# Altium PCB 0020-03_FFT2G.PcbDoc (part 9 of 16) (continued)
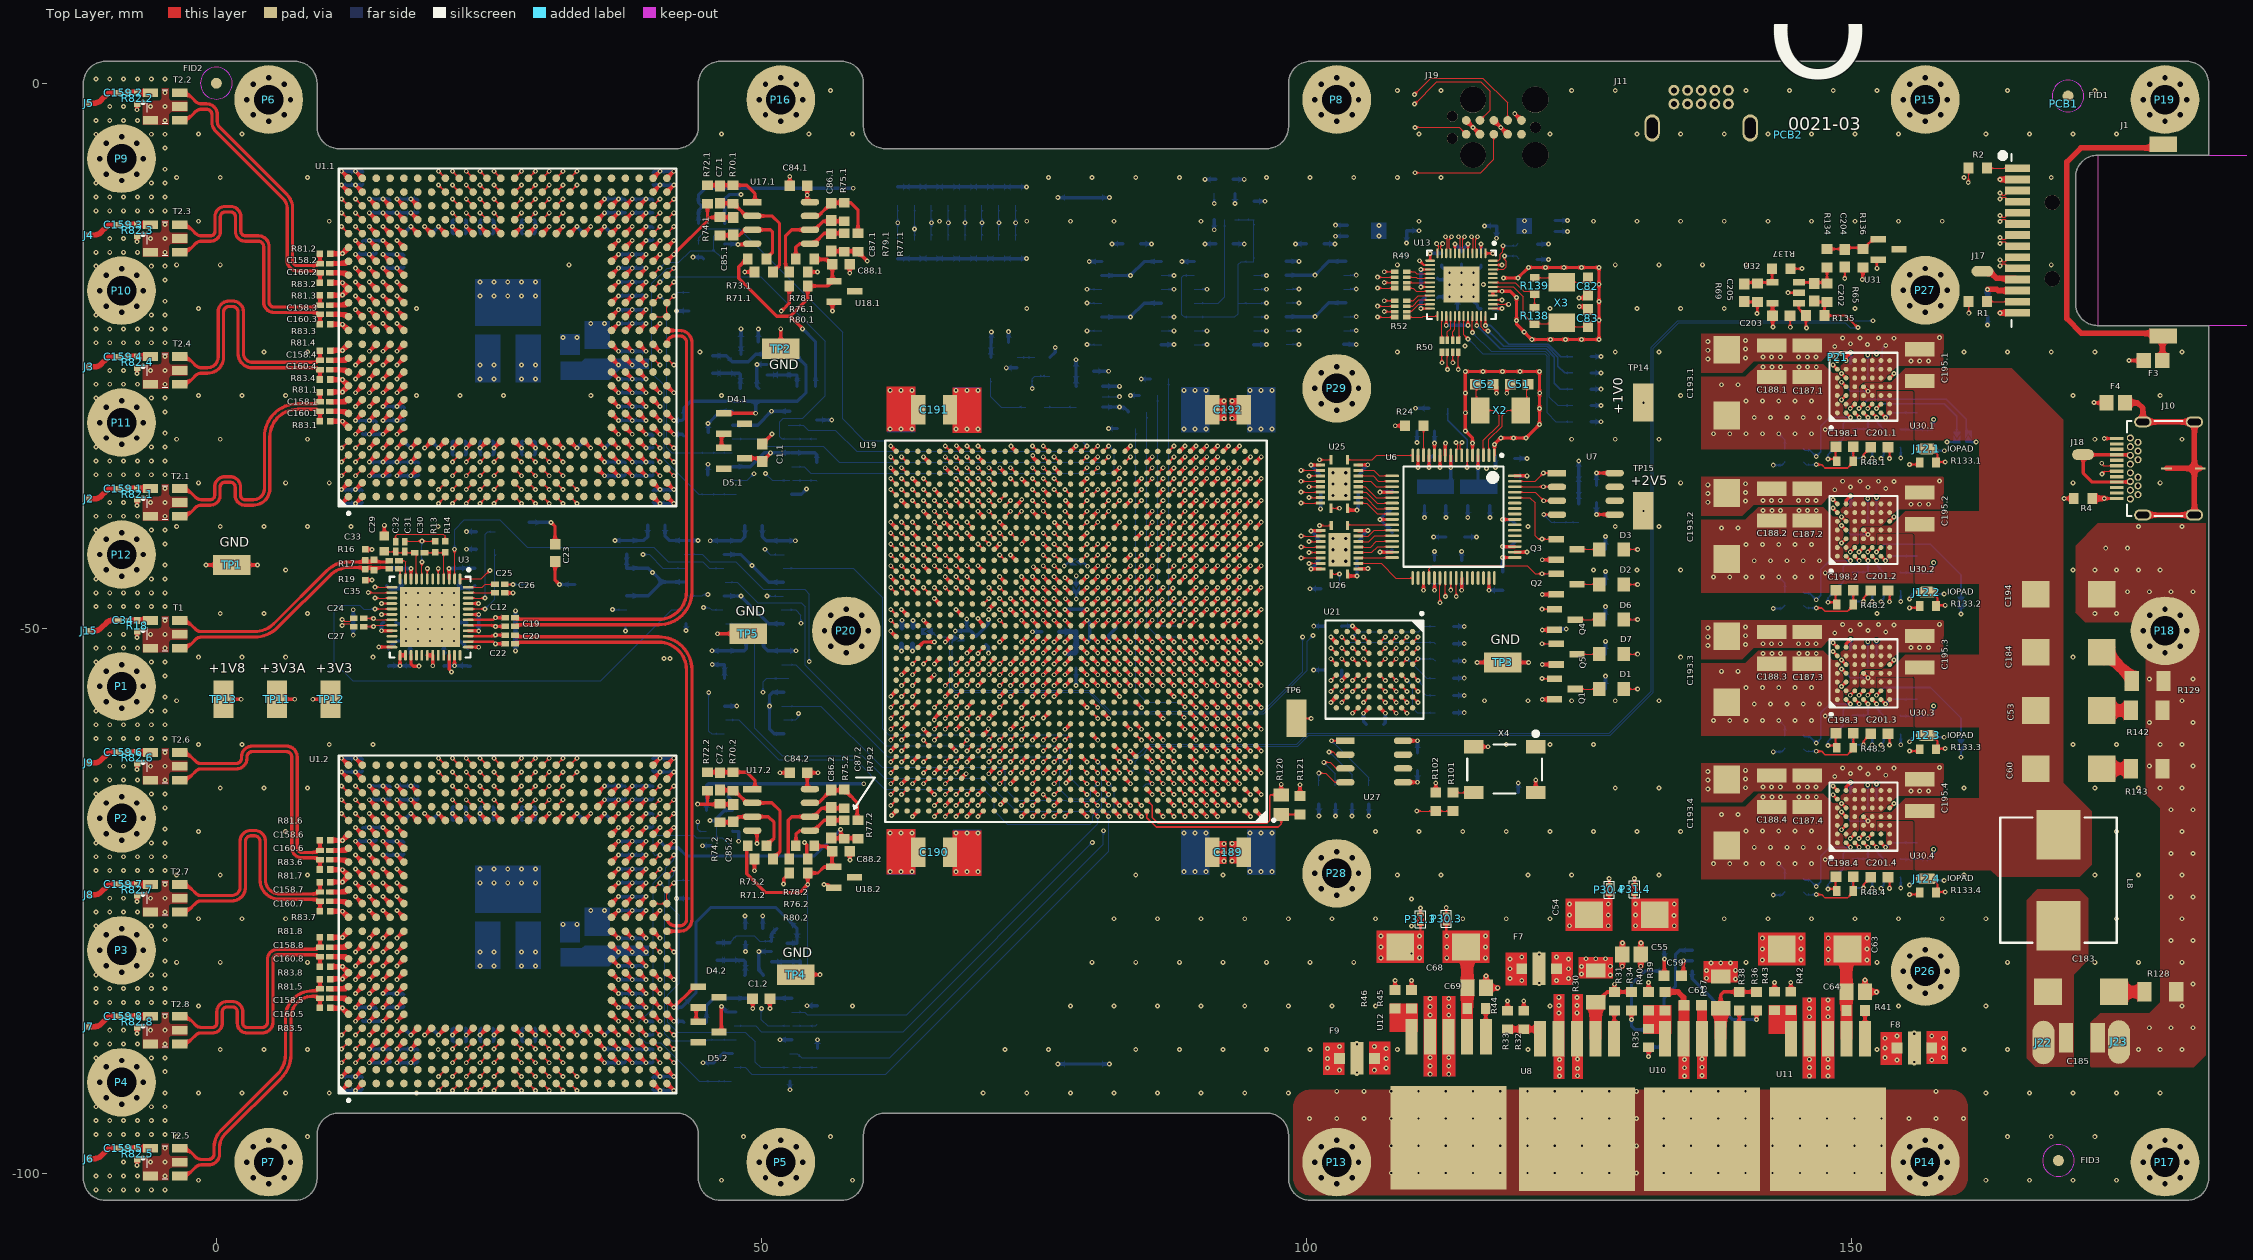
[diagram p0: Top Layer view]
## Nets (pads, with @x,y where several pads share a name; then routed paths per layer and width w, separated by ;. In a path a pad name is that pad's centre, name@x,y a point inside that pad or via, vN(x,y) a via of type N, cw(c..) or ccw(c..) an arc to the next point about the centre after c; other vN are vias at no path point) (continued)
  other v2: 4.8,-101 51.8,-101 102.8,-101 156.8,-101 178.8,-101 3.386,-100.414 6.214,-100.414 50.386,-100.414 53.214,-100.414 101.386,-100.414 104.214,-100.414 155.386,-100.414 158.214,-100.414 177.386,-100.414 180.214,-100.414 2.8,-99 6.8,-99 49.8,-99 53.8,-99 100.8,-99 104.8,-99 154.8,-99 158.8,-99 176.8,-99 180.8,-99 3.386,-97.586 6.214,-97.586 50.386,-97.586 53.214,-97.586 101.386,-97.586 104.214,-97.586 155.386,-97.586 158.214,-97.586 177.386,-97.586 180.214,-97.586 4.8,-97 51.8,-97 102.8,-97 156.8,-97 178.8,-97 -8.7,-93.674 -10.114,-93.088 -7.286,-93.088 -10.7,-91.674 -6.7,-91.674 -10.114,-90.26 -7.286,-90.26 -8.7,-89.674 156.8,-83.5 155.386,-82.914 158.214,-82.914 -8.7,-81.567 154.8,-81.5 158.8,-81.5 -10.114,-80.981 -7.286,-80.981 155.386,-80.086 158.214,-80.086 -10.7,-79.567 -6.7,-79.567 156.8,-79.5 -10.114,-78.153 -7.286,-78.153 -8.7,-77.567 102.8,-74.5 101.386,-73.914 104.214,-73.914 100.8,-72.5 104.8,-72.5 101.386,-71.086 104.214,-71.086 102.8,-70.5 -8.7,-69.46 -10.114,-68.874 -7.286,-68.874 -10.7,-67.46 -6.7,-67.46 -10.114,-66.046 -7.286,-66.046 -8.7,-65.46 -8.7,-57.353 -10.114,-56.767 -7.286,-56.767 -10.7,-55.353 -6.7,-55.353 -10.114,-53.939 -7.286,-53.939 -8.7,-53.353 57.8,-52.25 178.8,-52.25 56.386,-51.664 59.214,-51.664 177.386,-51.664 180.214,-51.664 55.8,-50.25 59.8,-50.25 176.8,-50.25 180.8,-50.25 56.386,-48.836 59.214,-48.836 177.386,-48.836 180.214,-48.836 57.8,-48.25 178.8,-48.25 -8.7,-45.246 -10.114,-44.66 -7.286,-44.66 -10.7,-43.246 -6.7,-43.246 -10.114,-41.832 -7.286,-41.832 -8.7,-41.246 -8.7,-33.139 -10.114,-32.553 -7.286,-32.553 -10.7,-31.139 -6.7,-31.139 102.8,-30 -10.114,-29.725 -7.286,-29.725 101.386,-29.414 104.214,-29.414 -8.7,-29.139 100.8,-28 104.8,-28 101.386,-26.586 104.214,-26.586 102.8,-26 -8.7,-21.032 156.8,-21 -10.114,-20.446 -7.286,-20.446 155.386,-20.414 158.214,-20.414 -10.7,-19.032 -6.7,-19.032 154.8,-19 158.8,-19 -10.114,-17.618 -7.286,-17.618 155.386,-17.586 158.214,-17.586 -8.7,-17.032 156.8,-17 -8.7,-8.925 -10.114,-8.339 -7.286,-8.339 -10.7,-6.925 -6.7,-6.925 -10.114,-5.511 -7.286,-5.511 -8.7,-4.925 4.8,-3.5 51.8,-3.5 102.8,-3.5 156.8,-3.5 178.8,-3.5 3.386,-2.914 6.214,-2.914 50.386,-2.914 53.214,-2.914 101.386,-2.914 104.214,-2.914 155.386,-2.914 158.214,-2.914 177.386,-2.914 180.214,-2.914 2.8,-1.5 6.8,-1.5 49.8,-1.5 53.8,-1.5 100.8,-1.5 104.8,-1.5 154.8,-1.5 158.8,-1.5 176.8,-1.5 180.8,-1.5 3.386,-0.086 6.214,-0.086 50.386,-0.086 53.214,-0.086 101.386,-0.086 104.214,-0.086 155.386,-0.086 158.214,-0.086 177.386,-0.086 180.214,-0.086 4.8,0.5 51.8,0.5 102.8,0.5 156.8,0.5 178.8,0.5
  other v3: 18.506,-51.191 19.606,-51.191 18.506,-50.091 19.606,-50.091 20.706,-50.091 21.806,-50.091 17.406,-48.991 18.506,-48.991 19.606,-48.991 20.706,-48.991 17.406,-47.891 18.506,-47.891 19.606,-47.891 20.706,-47.891 21.806,-47.891 18.506,-46.791 19.606,-46.791 20.706,-46.791 114.246,-18.486 115.346,-18.486
  other v4: 102.467,-43.854 103.631,-43.854 102.467,-42.81 103.631,-42.81 102.467,-41.766 103.631,-41.766 102.458,-37.821 103.622,-37.821 102.458,-36.777 103.622,-36.777 102.458,-35.733 103.622,-35.733
  other v5: 104.65,-90.775 155.8,-89.825 104.65,-88.175 155.8,-87.225 121.378,-82.55 121.378,-79.95
  other v6: 117.475,-28.45 118.4,-28.45 125.025,-19.7
GPI0: J11.5 U28.2 | length 57
  SIG1 w0.1: v1(87.856,-17.638) 87.856,-12.575 90.081,-10.349 122.376,-10.349 132.074,-0.65 J11.5@133.742,-0.65
  Bottom Layer w0.1: U28.2@86.697,-17.638 v1(87.856,-17.638)
GPI1: J11.4 U28.5 | length 63.8
  SIG1 w0.1: v1(87.856,-21.448) 88.375,-20.929 88.375,-18.797 87.481,-17.902 87.481,-12.453 89.94,-9.993 122.307,-9.993 132.46,0.16 134.181,0.16 J11.4@134.992,-0.65
  Bottom Layer w0.1: U28.5@86.697,-21.448 v1(87.856,-21.448)
GPI2: J11.3 U28.9 | length 69.7
  SIG1 w0.1: v1(79.875,-22.718) 87.139,-15.454 87.139,-12.085 89.536,-9.688 122.186,-9.688 132.25,0.375 135.216,0.375 J11.3@136.242,-0.65
  Bottom Layer w0.1: v1(79.875,-22.718) U28.9@81.247,-22.718
GPI3: J11.2 U28.12 | length 67.6
  SIG1 w0.1: v1(79.875,-18.908) 89.433,-9.35 122.163,-9.35 132.188,0.675 136.166,0.675 J11.2@137.492,-0.65
  Bottom Layer w0.1: v1(79.875,-18.908) U28.12@81.247,-18.908
GPI_BUF0: U19.AK18 U28.3 | length 28.1
  Top Layer w0.1: v1(77.875,-37.28) U19.AK18@78.375,-37.78
  SIG2 w0.1: v1(77.875,-37.28) 78.367,-36.788 79.897,-36.788 80.25,-36.435 80.25,-21.665 83.007,-18.908 v1(87.856,-18.908)
  Bottom Layer w0.1: U28.3@86.697,-18.908 v1(87.856,-18.908)
GPI_BUF1: U19.AK17 U28.6 | length 22.7
  Top Layer w0.1: U19.AK17@79.375,-37.78 v1(79.875,-37.28)
  SIG1 w0.1: v1(79.875,-37.28) 80.375,-36.78 80.375,-25.109 82.766,-22.718 v1(87.856,-22.718)
  Bottom Layer w0.1: U28.6@86.697,-22.718 v1(87.856,-22.718)
GPI_BUF2: U19.AE18 U28.8 | length 21.2
  Top Layer w0.1: v1(77.875,-42.28) U19.AE18@78.375,-42.78
  SIG1 w0.1: v1(77.875,-42.28) 79.388,-40.767 79.388,-24.475 v1(79.875,-23.988)
  Bottom Layer w0.1: v1(79.875,-23.988) U28.8@81.247,-23.988
GPI_BUF3: U19.AF18 U28.11 | length 24
  Top Layer w0.1: v1(77.875,-41.28) U19.AF18@78.375,-41.78
  SIG1 w0.1: v1(77.875,-41.28) 78.375,-40.78 78.375,-21.678 v1(79.875,-20.178)
  Bottom Layer w0.1: v1(79.875,-20.178) U28.11@81.247,-20.178
GPO0: J11.6 U29.3 | length 47.9
  SIG1 w0.1: v1(104.588,-18.884) 104.05,-18.345 104.05,-13.7 105.826,-11.923 131.726,-11.923 138.742,-4.908 J11.6@138.742,-1.9
  Bottom Layer w0.1: U29.3@103.43,-18.884 v1(104.588,-18.884)
GPO1: J11.7 U29.6 | length 51.6
  SIG1 w0.1: v1(104.588,-22.694) 103.631,-21.737 103.631,-13.11 105.199,-11.542 131.057,-11.542 137.575,-5.025 137.575,-1.983 J11.7@137.492,-1.9
  Bottom Layer w0.1: U29.6@103.43,-22.694 v1(104.588,-22.694)
GPO2: J11.8 U29.8 | length 55
  SIG1 w0.1: v1(99.338,-23.964) 100.241,-23.061 100.241,-13.503 102.486,-11.258 130.591,-11.258 136.242,-5.607 J11.8@136.242,-1.9
  Bottom Layer w0.1: U29.8@98.18,-23.964 v1(99.338,-23.964)
GPO3: J11.9 U29.11 | length 50.7
  SIG1 w0.1: v1(99.338,-20.154) 99.788,-19.704 99.788,-12.931 101.825,-10.895 130.055,-10.895 134.992,-5.958 J11.9@134.992,-1.9
  Bottom Layer w0.1: U29.11@98.18,-20.154 v1(99.338,-20.154)
GPO_BUF0: U19.AM17 U29.2 | length 45
  Top Layer w0.1: U19.AM17@79.375,-35.78 v1(79.875,-35.28)
  LVDS3 w0.1: v1(79.875,-35.28) 79.375,-34.78 79.375,-21.491 85.285,-15.581 96.766,-15.581 99.534,-18.35 103.852,-18.35 v1(104.588,-17.614)
  Bottom Layer w0.1: U29.2@103.43,-17.614 v1(104.588,-17.614)
GPO_BUF1: U19.AM16 U29.5 | length 42.8
  Top Layer w0.1: U19.AM16@80.375,-35.78 v1(80.875,-35.28)
  LVDS3 w0.1: v1(80.875,-35.28) 81.375,-34.78 81.375,-32.525 ; 81.375,-32.524 81.375,-21.752 86.352,-16.775 96.69,-16.775 101.338,-21.424 v1(104.588,-21.424)
  Bottom Layer w0.1: U29.5@103.43,-21.424 v1(104.588,-21.424)
GPO_BUF2: U19.AD17 U29.9 | length 47.6
  Top Layer w0.1: U19.AD17@79.375,-43.78 v1(79.875,-43.28)
  LVDS3 w0.1: v1(79.875,-43.28) 80.375,-42.78 80.375,-42.233 80.84,-41.768 81.386,-41.768 82.375,-40.78 82.375,-21.437 86.606,-17.207 96.512,-17.207 98.754,-19.448 98.754,-22.109 v1(99.338,-22.694)
  Bottom Layer w0.1: U29.9@98.18,-22.694 v1(99.338,-22.694)
GPO_BUF3: U19.AE17 U29.12 | length 45.1
  Top Layer w0.1: U19.AE17@79.375,-42.78 v1(79.875,-42.28)
  LVDS3 w0.1: v1(79.875,-42.28) 80.375,-41.78 80.375,-21.983 86.472,-15.886 96.341,-15.886 v1(99.338,-18.884)
  Bottom Layer w0.1: U29.12@98.18,-18.884 v1(99.338,-18.884)
ID0: R84.2 R92.2 U19.AA30 | length 40.9
  Top Layer w0.1: v1(65.875,-46.28) U19.AA30@66.375,-46.78
  SIG1 w0.1: v1(65.875,-46.28) 65.375,-45.78 65.375,-25.366 73.343,-17.398 v1(73.343,-12.802)
  Bottom Layer w0.1: R84.2@73.343,-14.396 v1(73.343,-12.802) R92.2@73.343,-11.209
ID1: R85.2 R93.2 U19.AA31 | length 40.7
  Top Layer w0.1: v1(64.875,-46.28) U19.AA31@65.375,-46.78
  SIG1 w0.1: v1(64.875,-46.28) 64.375,-45.78 64.375,-25.164 71.797,-17.742 v1(71.797,-12.802)
  Bottom Layer w0.1: R85.2@71.797,-14.396 v1(71.797,-12.802) R93.2@71.797,-11.209
ID2: R86.2 R94.2 U19.AA33 | length 40.4
  Top Layer w0.1: v1(62.875,-46.28) U19.AA33@63.375,-46.78
  SIG2 w0.1: v1(62.875,-46.28) 63.375,-45.78 63.375,-26.61 70.251,-19.735 v1(70.251,-12.802)
  Bottom Layer w0.1: R86.2@70.251,-14.396 v1(70.251,-12.802) R94.2@70.251,-11.209
ID3: R87.2 R95.2 U19.AB33 | length 38.8
  Top Layer w0.1: v1(62.875,-45.28) U19.AB33@63.375,-45.78
  SIG1 w0.1: v1(62.875,-45.28) 63.375,-44.78 63.375,-24.608 68.705,-19.278 v1(68.705,-12.802)
  Bottom Layer w0.1: R87.2@68.705,-14.396 v1(68.705,-12.802) R95.2@68.705,-11.209
ID4: R88.2 R96.2 U19.AA34 | length 39.6
  Top Layer w0.1: v1(61.875,-46.28) U19.AA34@62.375,-46.78
  SIG2 w0.1: v1(61.875,-46.28) 62.375,-45.78 62.375,-26.421 67.16,-21.637 v1(67.16,-12.802)
  Bottom Layer w0.1: R88.2@67.16,-14.396 v1(67.16,-12.802) R96.2@67.16,-11.209
ID5: R89.2 R97.2 U19.AC33 | length 36.9
  Top Layer w0.1: v1(62.875,-44.28) U19.AC33@63.375,-44.78
  SIG1 w0.1: v1(62.875,-44.28) 62.375,-43.78 62.375,-24.646 65.614,-21.407 v1(65.614,-12.802)
  Bottom Layer w0.1: R89.2@65.614,-14.396 v1(65.614,-12.802) R97.2@65.614,-11.209
ID6: R90.2 R98.2 U19.AC34 | length 36.2
  Top Layer w0.1: v1(61.875,-44.28) U19.AC34@62.375,-44.78
  SIG2 w0.1: v1(61.875,-44.28) 61.342,-43.747 61.342,-26.184 64.072,-23.455 v1(64.072,-13.371)
  Bottom Layer w0.1: R90.2@64.068,-14.396 64.072,-14.392 v1(64.072,-13.371) 64.072,-11.213 R98.2@64.068,-11.209
ID7: R91.2 R99.2 U19.AD34 | length 35.1
  Top Layer w0.1: v1(61.875,-43.28) U19.AD34@62.375,-43.78
  SIG1 w0.1: v1(61.875,-43.28) 61.375,-42.78 61.375,-24.856 62.522,-23.709 v1(62.522,-12.802)
  Bottom Layer w0.1: R91.2@62.522,-14.396 v1(62.522,-12.802) R99.2@62.522,-11.209
INIT_B: Q5.1 R112.2 U19.P8 | length 38.9
  Top Layer w0.1: U19.P8@88.375,-53.78 v1(88.875,-54.28) ; v1(121.644,-51.435) Q5.1@122.789,-51.435
  SIG1 w0.1: v1(88.875,-54.28) 89.375,-53.78 95.943,-53.78 100.843,-48.88 119.089,-48.88 v1(121.644,-51.435)
  Bottom Layer w0.1: v1(121.644,-51.435) R112.2@122.659,-51.435
INTVCC.1: R133.1.2 U30.1.B3 | length 12.6
  Top Layer w0.15: v1(149.112,-29.049) 149.124,-29.049 149.523,-28.649 U30.1.B3@149.535,-28.649 ; v1(155.364,-34.987) 156.115,-34.987 R133.1.2@156.289,-34.813
  LVDS1 w0.15: v1(149.112,-29.049) 149.112,-29.153 148.81,-29.455 148.81,-31.807 149.701,-32.697 153.447,-32.697 155.364,-34.614 v1(155.364,-34.987)
INTVCC.2: R133.2.2 U30.2.B3 | length 12.4
  Top Layer w0.15: v1(149.112,-42.198) 149.124,-42.198 149.523,-41.799 U30.2.B3@149.535,-41.798 ; v1(155.364,-48.136) 156.115,-48.136 R133.2.2@156.289,-47.962
  LVDS1 w0.15: v1(149.112,-42.198) 149.112,-42.28 149.031,-42.361 149.031,-45.177 150.136,-46.281 153.846,-46.281 154.951,-47.386 154.951,-47.723 v1(155.364,-48.136)
INTVCC.3: R133.3.2 U30.3.B3 | length 12.5
  Top Layer w0.15: v1(149.112,-55.348) 149.124,-55.348 149.523,-54.948 U30.3.B3@149.535,-54.948 ; v1(155.364,-61.285) 156.115,-61.285 R133.3.2@156.289,-61.112
  LVDS1 w0.15: v1(149.112,-55.348) 149.112,-55.451 148.81,-55.753 148.81,-58.105 149.701,-58.995 153.411,-58.995 154.951,-60.535 154.951,-60.872 v1(155.364,-61.285)
INTVCC.4: R133.4.2 U30.4.B3 | length 13.2
  Top Layer w0.15: v1(149.112,-68.497) 149.124,-68.497 149.523,-68.097 U30.4.B3@149.535,-68.097 ; v1(155.364,-74.434) 156.115,-74.434 R133.4.2@156.289,-74.261
  LVDS1 w0.15: v1(149.112,-68.497) 149.112,-68.601 148.81,-68.902 148.81,-71.254 149.701,-72.144 154.623,-72.144 154.958,-72.479 154.958,-74.029 v1(155.364,-74.434)
JTAG.TCK: U6.38 U20.5 | length 39
  Top Layer w0.1: v1(112.266,-47.668) U6.38@112.266,-45.4
  SIG2 w0.1: v1(96.352,-21.449) 99.549,-21.449 100.2,-22.1 101.725,-22.1 108.704,-29.079 108.704,-41.819 112.266,-45.382 v1(112.266,-47.668)
  Bottom Layer w0.1: U20.5@95.194,-21.449 v1(96.352,-21.449)
JTAG.TDI: U6.39 U20.2 | length 43.5
  Top Layer w0.1: v1(112.766,-47.099) U6.39@112.766,-45.4
  SIG1 w0.1: v1(96.352,-17.639) 97.241,-18.528 97.241,-28.216 102.575,-33.55 106.575,-33.55 108.916,-35.891 108.916,-46.731 109.285,-47.099 v1(112.766,-47.099)
  Bottom Layer w0.1: U20.2@95.194,-17.639 v1(96.352,-17.639)
JTAG.TDO: U6.40 U22.4 | length 50.6
  Top Layer w0.1: v1(113.266,-46.518) U6.40@113.266,-45.4
  SIG1 w0.1: v1(91.558,-11.034) 97.659,-17.136 97.659,-28.043 102.748,-33.132 106.748,-33.132 109.334,-35.718 109.334,-45.599 109.847,-46.112 112.86,-46.112 v1(113.266,-46.518)
  Bottom Layer w0.1: v1(91.558,-11.034) U22.4@91.558,-10.118
JTAG.TMS: U6.41 U20.9 | length 45.2
  Top Layer w0.1: v1(113.766,-47.099) U6.41@113.766,-45.4
  SIG2 w0.1: v1(90.902,-22.719) 92.782,-20.839 100.914,-20.839 109.237,-29.162 109.237,-41.671 113.766,-46.2 v1(113.766,-47.099)
  Bottom Layer w0.1: U20.9@89.744,-22.719 v1(90.902,-22.719)
LF: C31.2 R13.2 U3.8 | length 6.3
  Top Layer w0.1: C31.2@17.276,-42.073 17.326,-42.023 v1(18.856,-42.023) R13.2@20.07,-42.023 ; U3.8@18.856,-45.491 v1(18.856,-43.936)
  Bottom Layer w0.1: v1(18.856,-43.936) v1(18.856,-42.023)
MON_ADC_N.DIODA: C3.1.2 C4.1.1 D4.1.1 R65.1.2 R67.1.1 U1.1.AD7 U19.G11 | length 90.3
  Top Layer w0.3: U1.1.AD7@41.338,-30.307 v1(41.973,-30.942) ; D4.1.1@46.548,-30.284 v1(49.486,-30.284) ; U19.G11@85.375,-60.78 v1(85.875,-61.28)
  SIG1 w0.1: v1(41.973,-30.942) 46.723,-35.692 46.723,-47.559 60.944,-61.78 81.375,-61.78 82.375,-62.78 84.375,-62.78 v1(85.875,-61.28)
  Bottom Layer w0.3: v1(41.973,-30.942) 42.727,-30.942 C3.1.2@42.898,-30.77 42.898,-29.825 43.532,-29.191 49.486,-29.191 ; v1(49.486,-30.284) 49.486,-29.191 ; C4.1.1@51.958,-24.964 R65.1.2@52.881,-24.964 ; R67.1.1@52.881,-23.714 R65.1.2@52.881,-24.964 ; 49.486,-29.191 53.297,-29.191 54.109,-28.378 54.109,-25.942 R65.1.2@53.131,-24.964 R65.1.2@52.881,-24.964
MON_ADC_N.RES50_P: C85.1.1 R72.1.1 R74.1.2 U1.1.AD18 U19.A13 | length 95.8
  Top Layer w0.1: U19.A13@83.375,-66.78 v1(83.875,-67.28)
  Top Layer w0.3: U1.1.AD18@41.338,-16.337 v1(41.973,-15.702) 45.065,-12.61 45.065,-12.304 ; R72.1.1@45.065,-11.064 45.065,-12.304 ; C85.1.1@47.415,-12.314 45.074,-12.314 45.065,-12.304
  SIG1 w0.1: v1(41.973,-15.702) 43.045,-16.773 43.045,-30.063 48.501,-35.52 48.501,-46.714 54.487,-52.7 54.555,-52.7 54.775,-52.92 54.775,-52.987 61.567,-59.78 86.024,-59.78 86.375,-60.131 86.375,-65.78 85.375,-66.78 84.375,-66.78 v1(83.875,-67.28)
MON_ADC_N.RES62_P: C87.1.1 R77.1.1 R79.1.1 U1.1.AC18 U19.F14 | length 101.1
  Top Layer w0.1: C87.1.1@56.415,-15.414 C87.1.1@56.465,-15.464 ; U19.F14@82.375,-61.78 v1(82.875,-62.28)
  Top Layer w0.3: U1.1.AC18@40.068,-16.337 v1(40.703,-15.702) ; C87.1.1@56.415,-15.414 R77.1.1@58.865,-15.414 ; R77.1.1@58.865,-15.464 v1(59.726,-16.325)
  SIG1 w0.1: v1(40.703,-15.702) 41.368,-16.367 41.368,-21.402 42.486,-22.52 42.486,-30.292 47.587,-35.393 47.587,-47.305 61.061,-60.78 81.375,-60.78 v1(82.875,-62.28)
  SIG2 w0.3: v1(40.703,-15.702) 41.357,-15.048 47.083,-15.048 47.414,-15.378 58.779,-15.378 v1(59.726,-16.325)
MON_ADC_S.DIODA: C3.2.2 C4.2.1 D4.2.1 R65.2.2 R67.2.1 U1.2.AD7 U19.H10 | length 86.8
  Top Layer w0.3: U1.2.AD7@41.338,-84.163 v1(41.973,-84.798) 43.648,-83.123 43.648,-83.059 43.798,-82.909 D4.2.1@44.023,-82.909 ; U19.H10@86.375,-59.78 v1(86.875,-60.28)
  SIG2 w0.1: v1@41.816,-84.641 42.556,-85.38 69.71,-85.38 86.375,-68.715 86.375,-60.78 v1(86.875,-60.28)
  Bottom Layer w0.3: v1(41.973,-84.798) 42.684,-84.798 C3.2.2@42.898,-84.584 44.01,-83.472 44.01,-76.997 45.373,-75.634 51.345,-75.634 R67.2.1@53.281,-77.57 53.281,-78.905 C4.2.1@52.358,-78.905
MON_ADC_S.RES50_P: C85.2.1 R72.2.1 R74.2.2 U1.2.AD18 U19.B12 | length 57.8
  Top Layer w0.1: U19.B12@84.375,-65.78 v1(84.875,-66.28)
  Top Layer w0.3: U1.2.AD18@41.338,-70.193 v1(41.973,-69.558) ; v1@44.162,-66.158 45.065,-66.158 ; R72.2.1@45.065,-64.92 45.065,-66.158 ; C85.2.1@47.415,-66.17 45.077,-66.17 45.065,-66.158
  SIG2 w0.1: v1(41.973,-69.558) 44.181,-71.766 81.569,-71.766 84.375,-68.959 84.375,-66.78 v1(84.875,-66.28)
  SIG2 w0.3: v1(41.973,-69.558) 42.618,-68.913 42.618,-67.697 v1(44.162,-66.152)
MON_ADC_S.RES62_P: C87.2.1 R77.2.1 R79.2.1 U1.2.AC18 U19.H12 | length 80.5
  Top Layer w0.1: U19.H12@84.375,-59.78 v1(84.875,-60.28)
  Top Layer w0.3: U1.2.AC18@40.068,-70.193 v1(40.703,-69.558) ; C87.2.1@56.415,-69.27 R79.2.1@57.565,-69.27 ; v1(57.284,-68.485) 57.284,-68.989 R79.2.1@57.565,-69.27 ; R79.2.1@57.615,-69.32 R79.2.1@57.565,-69.27 ; R77.2.1@59.048,-69.503 58.815,-69.27 R79.2.1@57.565,-69.27
  SIG2 w0.1: v1(40.703,-69.558) 41.343,-70.197 41.343,-70.953 41.902,-71.512 42.874,-71.512 44.376,-73.014 81.162,-73.014 85.357,-68.819 85.357,-60.761 v1(84.875,-60.28)
  Bottom Layer w0.3: v1(40.703,-69.558) 41.286,-70.14 42.368,-70.14 43.137,-70.909 54.861,-70.909 v1(57.284,-68.485)
N_CLK_N: C19.1 U1.1.AD13 | length 43.8
  Top Layer w0.3: C19.1@27.4,-49.841 cw(c27.55,-49.841) 27.551,-49.691 40.597,-49.691 ccw(c40.597,-46.651) 43.637,-46.651 43.637,-23.789 ccw(c42.537,-23.789) 42.537,-22.689 ; U1.1.AD13@41.338,-22.687 42.486,-22.687
N_CLK_P: C12.1 U1.1.AD12 | length 42.7
  Top Layer w0.3: C12.1@27.4,-49.041 ccw(c27.55,-49.04) 27.551,-49.191 40.597,-49.191 ccw(c40.597,-46.651) 43.137,-46.651 43.137,-23.79 ccw(c42.537,-23.79) 42.537,-23.19 42.105,-23.19 ccw(c42.105,-23.957) U1.1.AD12@41.338,-23.957
NA.0_N: U1.1.M4 U19.AJ30 | length 76
  Top Layer w0.1: v1(25.463,-34.752) U1.1.M4@26.098,-34.117 ; v1(65.875,-38.28) U19.AJ30@66.375,-38.78
  LVDS1 w0.1: v1(25.463,-34.752) 25.463,-35.228 25.522,-35.287 34.23,-35.287 39.618,-40.675 40.248,-40.675 ccw(c40.248,-40.425) 40.498,-40.425 40.498,-40.233 cw(c40.948,-40.233) 40.948,-39.783 41.248,-39.783 cw(c41.248,-40.233) 41.698,-40.233 41.698,-41.318 ccw(c41.948,-41.318) 41.948,-41.568 42.248,-41.568 ccw(c42.248,-41.318) 42.498,-41.318 42.498,-40.233 cw(c42.948,-40.233) 42.948,-39.783 43.248,-39.783 cw(c43.248,-40.233) 43.698,-40.233 43.698,-41.121 ccw(c43.948,-41.121) 43.948,-41.371 44.248,-41.371 ccw(c44.248,-41.121) 44.498,-41.121 44.498,-40.233 cw(c44.948,-40.233) 44.948,-39.783 45.248,-39.783 cw(c45.248,-40.233) 45.698,-40.233 45.698,-41.318 ccw(c45.948,-41.318) 45.948,-41.568 46.248,-41.568 ccw(c46.248,-41.318) 46.498,-41.318 46.498,-40.233 cw(c46.948,-40.233) 46.948,-39.783 47.248,-39.783 cw(c47.248,-40.233) 47.698,-40.233 47.698,-41.318 ccw(c47.948,-41.318) 47.948,-41.568 48.248,-41.568 ccw(c48.248,-41.318) 48.498,-41.318 48.498,-40.233 cw(c48.948,-40.233) 48.948,-39.783 49.248,-39.783 cw(c49.248,-40.233) 49.698,-40.233 49.698,-41.318 ccw(c49.948,-41.318) 49.948,-41.568 50.248,-41.568 ccw(c50.248,-41.318) 50.498,-41.318 50.498,-40.233 cw(c50.948,-40.233) 50.948,-39.783 51.248,-39.783 cw(c51.248,-40.233) 51.698,-40.233 51.698,-41.318 ccw(c51.948,-41.318) 51.948,-41.568 52.248,-41.568 ccw(c52.248,-41.318) 52.498,-41.318 52.498,-40.233 cw(c52.948,-40.233) 52.948,-39.783 53.248,-39.783 cw(c53.248,-40.233) 53.698,-40.233 53.698,-41.318 ccw(c53.948,-41.318) 53.948,-41.568 54.248,-41.568 ccw(c54.248,-41.318) 54.498,-41.318 54.498,-40.233 cw(c54.948,-40.233) 54.948,-39.783 55.248,-39.783 cw(c55.248,-40.233) 55.698,-40.233 55.698,-41.318 ccw(c55.948,-41.318) 55.948,-41.568 56.248,-41.568 ccw(c56.248,-41.318) 56.498,-41.318 56.498,-40.233 cw(c56.948,-40.233) 56.948,-39.783 57.248,-39.783 cw(c57.248,-40.233) 57.698,-40.233 57.698,-41.318 ccw(c57.948,-41.318) 57.948,-41.568 58.248,-41.568 ccw(c58.248,-41.318) 58.498,-41.318 58.498,-40.233 cw(c58.948,-40.233) 58.948,-39.783 59.248,-39.783 cw(c59.248,-40.233) 59.698,-40.233 59.698,-41.318 ccw(c59.948,-41.318) 59.948,-41.568 60.248,-41.568 ccw(c60.248,-41.318) 60.498,-41.318 60.498,-41.125 cw(c60.948,-41.125) 60.948,-40.675 64.01,-40.675 65.3,-39.385 65.3,-39.041 65.637,-38.705 66.124,-38.705 66.353,-38.475 66.353,-38.338 66.294,-38.28 v1(65.875,-38.28)